# KiCad board panel.kicad_pcb (continued)
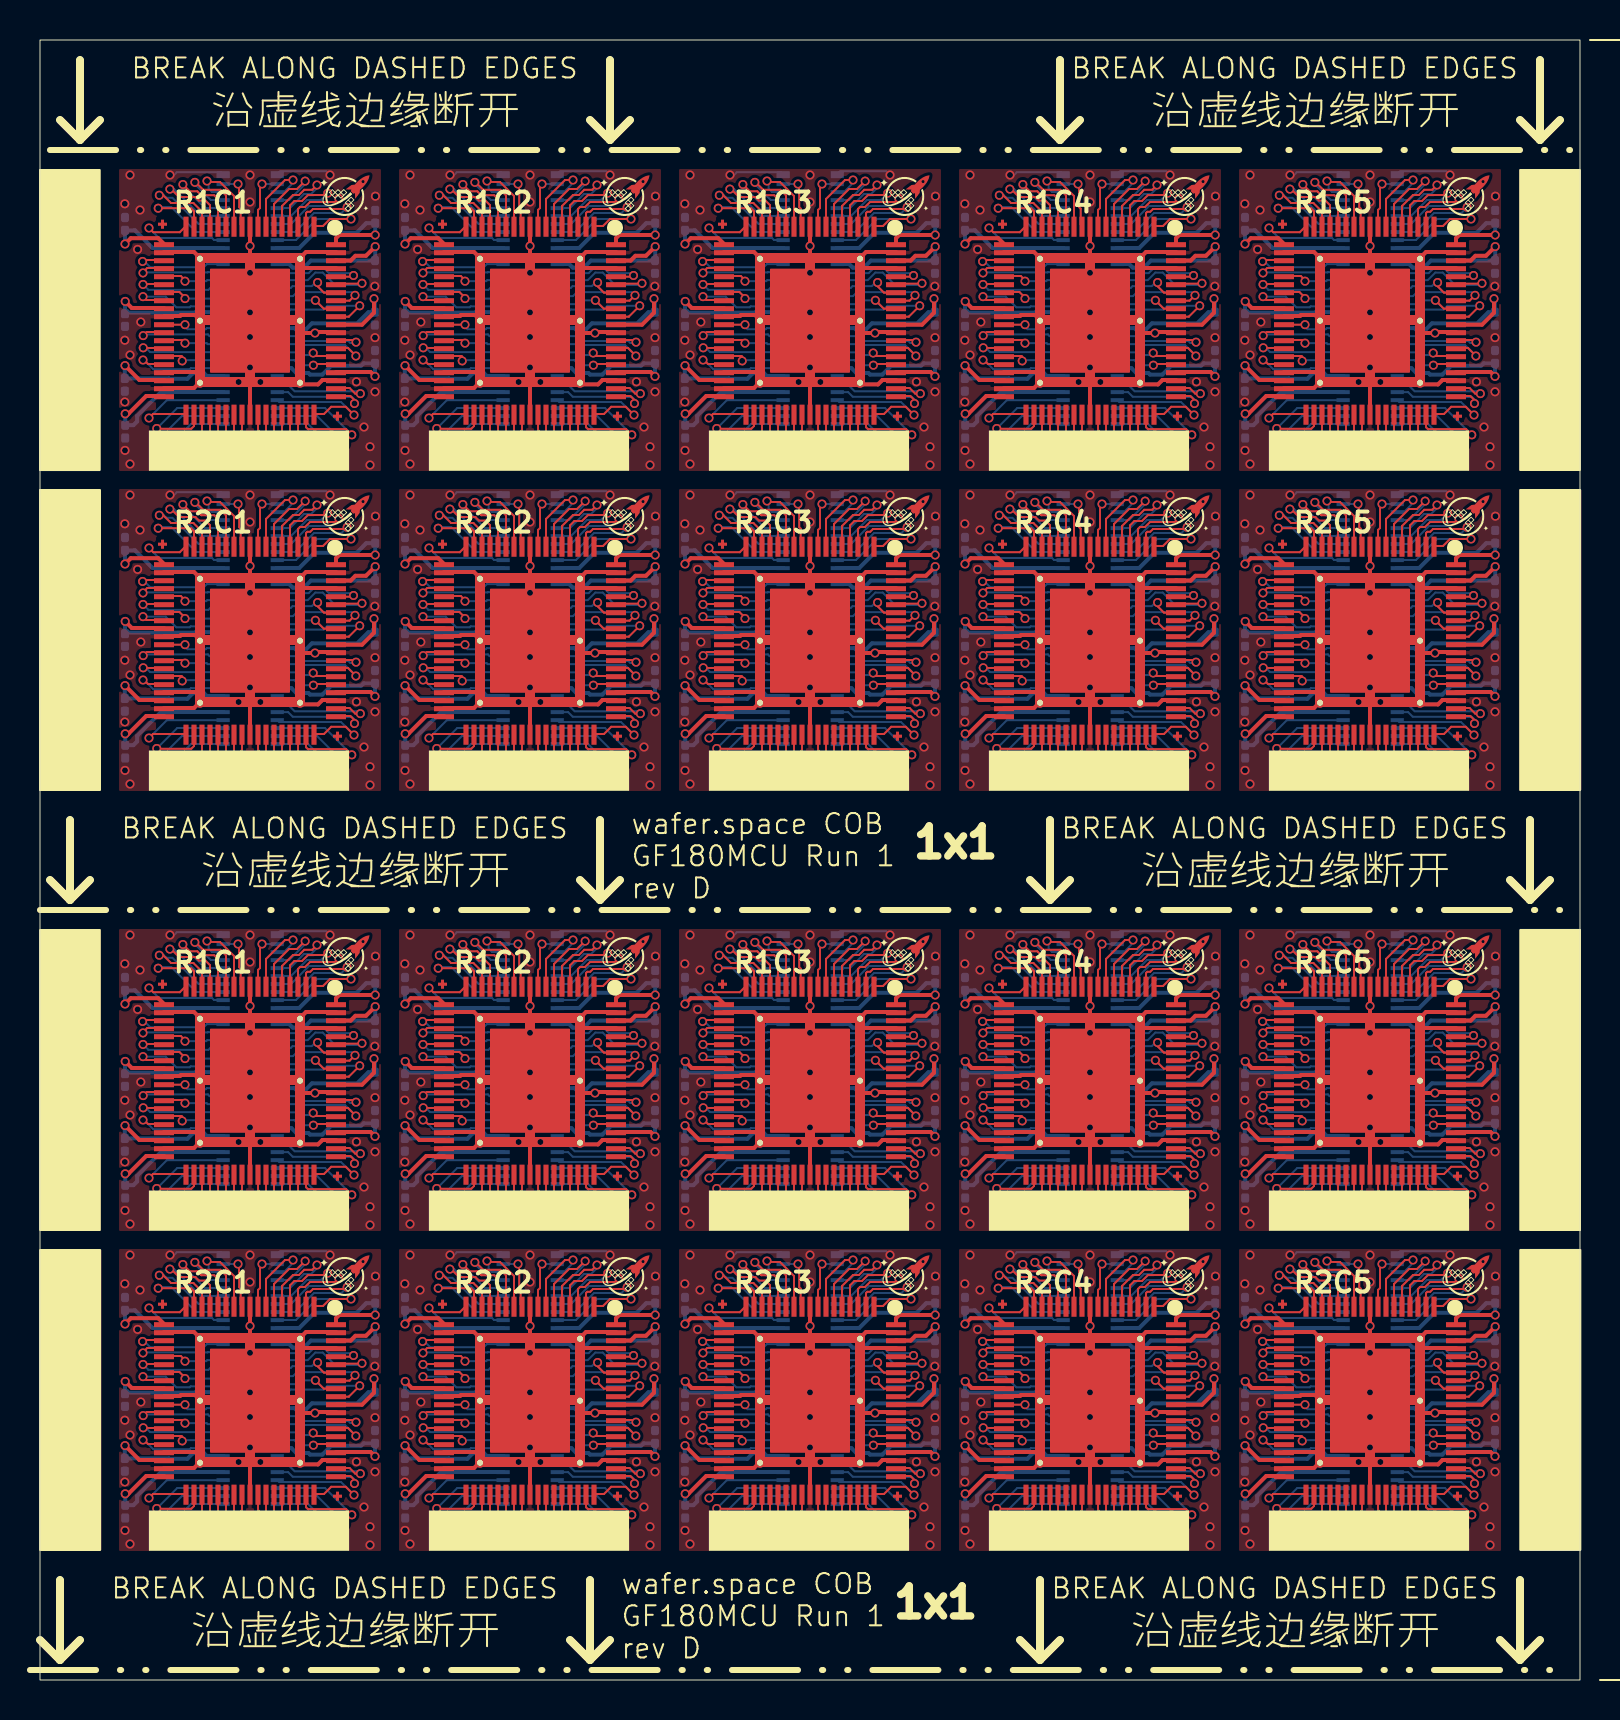
[diagram p0: board, top side]
## Nets (continued)
/pad_55: U101.26 U101#2.26 U102.56 U102#2.56 U103.26 U103#2.26 U104.56 U104#2.56 U105.26 U105#2.26 U106.56 U106#2.56 U107.26 U107#2.26 U108.56 U108#2.56 U109.26 U109#2.26 U110.56 U110#2.56 U111.26 U111#2.26 U112.56 U112#2.56 U113.26 U113#2.26 U114.56 U114#2.56 U115.26 U115#2.26 U116.56 U116#2.56 U117.26 U117#2.26 U118.56 U118#2.56 U119.26 U119#2.26 U120.56 U120#2.56
/pad_58: U101.23 U101#2.23 U102.59 U102#2.59 U103.23 U103#2.23 U104.59 U104#2.59 U105.23 U105#2.23 U106.59 U106#2.59 U107.23 U107#2.23 U108.59 U108#2.59 U109.23 U109#2.23 U110.59 U110#2.59 U111.23 U111#2.23 U112.59 U112#2.59 U113.23 U113#2.23 U114.59 U114#2.59 U115.23 U115#2.23 U116.59 U116#2.59 U117.23 U117#2.23 U118.59 U118#2.59 U119.23 U119#2.23 U120.59 U120#2.59
/pad_59: U101.22 U101#2.22 U102.60 U102#2.60 U103.22 U103#2.22 U104.60 U104#2.60 U105.22 U105#2.22 U106.60 U106#2.60 U107.22 U107#2.22 U108.60 U108#2.60 U109.22 U109#2.22 U110.60 U110#2.60 U111.22 U111#2.22 U112.60 U112#2.60 U113.22 U113#2.22 U114.60 U114#2.60 U115.22 U115#2.22 U116.60 U116#2.60 U117.22 U117#2.22 U118.60 U118#2.60 U119.22 U119#2.22 U120.60 U120#2.60
/pad_60: U101.21 U101#2.21 U102.61 U102#2.61 U103.21 U103#2.21 U104.61 U104#2.61 U105.21 U105#2.21 U106.61 U106#2.61 U107.21 U107#2.21 U108.61 U108#2.61 U109.21 U109#2.21 U110.61 U110#2.61 U111.21 U111#2.21 U112.61 U112#2.61 U113.21 U113#2.21 U114.61 U114#2.61 U115.21 U115#2.21 U116.61 U116#2.61 U117.21 U117#2.21 U118.61 U118#2.61 U119.21 U119#2.21 U120.61 U120#2.61
/pad_61: U101.20 U101#2.20 U102.62 U102#2.62 U103.20 U103#2.20 U104.62 U104#2.62 U105.20 U105#2.20 U106.62 U106#2.62 U107.20 U107#2.20 U108.62 U108#2.62 U109.20 U109#2.20 U110.62 U110#2.62 U111.20 U111#2.20 U112.62 U112#2.62 U113.20 U113#2.20 U114.62 U114#2.62 U115.20 U115#2.20 U116.62 U116#2.62 U117.20 U117#2.20 U118.62 U118#2.62 U119.20 U119#2.20 U120.62 U120#2.62
/pad_64: U101.17 U101#2.17 U102.65 U102#2.65 U103.17 U103#2.17 U104.65 U104#2.65 U105.17 U105#2.17 U106.65 U106#2.65 U107.17 U107#2.17 U108.65 U108#2.65 U109.17 U109#2.17 U110.65 U110#2.65 U111.17 U111#2.17 U112.65 U112#2.65 U113.17 U113#2.17 U114.65 U114#2.65 U115.17 U115#2.17 U116.65 U116#2.65 U117.17 U117#2.17 U118.65 U118#2.65 U119.17 U119#2.17 U120.65 U120#2.65
/pad_65: U101.16 U101#2.16 U102.66 U102#2.66 U103.16 U103#2.16 U104.66 U104#2.66 U105.16 U105#2.16 U106.66 U106#2.66 U107.16 U107#2.16 U108.66 U108#2.66 U109.16 U109#2.16 U110.66 U110#2.66 U111.16 U111#2.16 U112.66 U112#2.66 U113.16 U113#2.16 U114.66 U114#2.66 U115.16 U115#2.16 U116.66 U116#2.66 U117.16 U117#2.16 U118.66 U118#2.66 U119.16 U119#2.16 U120.66 U120#2.66
/pad_66: U101.15 U101#2.15 U102.67 U102#2.67 U103.15 U103#2.15 U104.67 U104#2.67 U105.15 U105#2.15 U106.67 U106#2.67 U107.15 U107#2.15 U108.67 U108#2.67 U109.15 U109#2.15 U110.67 U110#2.67 U111.15 U111#2.15 U112.67 U112#2.67 U113.15 U113#2.15 U114.67 U114#2.67 U115.15 U115#2.15 U116.67 U116#2.67 U117.15 U117#2.15 U118.67 U118#2.67 U119.15 U119#2.15 U120.67 U120#2.67
/pad_67: U101.14 U101#2.14 U102.68 U102#2.68 U103.14 U103#2.14 U104.68 U104#2.68 U105.14 U105#2.14 U106.68 U106#2.68 U107.14 U107#2.14 U108.68 U108#2.68 U109.14 U109#2.14 U110.68 U110#2.68 U111.14 U111#2.14 U112.68 U112#2.68 U113.14 U113#2.14 U114.68 U114#2.68 U115.14 U115#2.14 U116.68 U116#2.68 U117.14 U117#2.14 U118.68 U118#2.68 U119.14 U119#2.14 U120.68 U120#2.68
/pad_68: U101.13 U101#2.13 U102.69 U102#2.69 U103.13 U103#2.13 U104.69 U104#2.69 U105.13 U105#2.13 U106.69 U106#2.69 U107.13 U107#2.13 U108.69 U108#2.69 U109.13 U109#2.13 U110.69 U110#2.69 U111.13 U111#2.13 U112.69 U112#2.69 U113.13 U113#2.13 U114.69 U114#2.69 U115.13 U115#2.13 U116.69 U116#2.69 U117.13 U117#2.13 U118.69 U118#2.69 U119.13 U119#2.13 U120.69 U120#2.69
/pad_69: U101.12 U101#2.12 U102.70 U102#2.70 U103.12 U103#2.12 U104.70 U104#2.70 U105.12 U105#2.12 U106.70 U106#2.70 U107.12 U107#2.12 U108.70 U108#2.70 U109.12 U109#2.12 U110.70 U110#2.70 U111.12 U111#2.12 U112.70 U112#2.70 U113.12 U113#2.12 U114.70 U114#2.70 U115.12 U115#2.12 U116.70 U116#2.70 U117.12 U117#2.12 U118.70 U118#2.70 U119.12 U119#2.12 U120.70 U120#2.70
PWR_AUX_0: C105.1 C105#2.1 C113.1 C113#2.1 C121.1 C121#2.1 C129.1 C129#2.1 C137.1 C137#2.1 C145.1 C145#2.1 C153.1 C153#2.1 C161.1 C161#2.1 C169.1 C169#2.1 C177.1 C177#2.1 U101.54 U101#2.54 U102.26 U102#2.26 U103.54 U103#2.54 U104.26 U104#2.26 U105.54 U105#2.54 U106.26 U106#2.26 U107.54 U107#2.54 U108.26 U108#2.26 U109.54 U109#2.54 U110.26 U110#2.26 U111.54 U111#2.54 U112.26 U112#2.26 U113.54 U113#2.54 U114.26 U114#2.26 U115.54 U115#2.54 U116.26 U116#2.26 U117.54 U117#2.54 U118.26 U118#2.26 U119.54 U119#2.54 U120.26 U120#2.26
PWR_AUX_1: C106.1 C106#2.1 C114.1 C114#2.1 C122.1 C122#2.1 C130.1 C130#2.1 C138.1 C138#2.1 C146.1 C146#2.1 C154.1 C154#2.1 C162.1 C162#2.1 C170.1 C170#2.1 C178.1 C178#2.1 U101.19 U101#2.19 U102.64 U102#2.64 U103.19 U103#2.19 U104.64 U104#2.64 U105.19 U105#2.19 U106.64 U106#2.64 U107.19 U107#2.19 U108.64 U108#2.64 U109.19 U109#2.19 U110.64 U110#2.64 U111.19 U111#2.19 U112.64 U112#2.64 U113.19 U113#2.19 U114.64 U114#2.64 U115.19 U115#2.19 U116.64 U116#2.64 U117.19 U117#2.19 U118.64 U118#2.64 U119.19 U119#2.19 U120.64 U120#2.64

## Via types
v1: diameter 0.45, hole 0.3, Top to Bottom, 1960 vias

## Routing (per net, layer and track width the routed paths; a pad name or vN(x,y) marks a point on that pad's centre or on a via; arc(x,y) is an arc through that point)
GND: length 1147
  Top w0.2: 6.2,49.4 8,49.4 ; 6.2,27.4 8,27.4 ; 48.2,48.6 49.7,48.6 50,48.9 ; 14.8,54.6 13,54.6 ; 69,67.45 69.1,67.35 v1(69.75,67.35) 69.85,67.35 69.9,67.4 70.8,67.4 ; 28.8,13.4 27.9,13.4 27.85,13.35 v1(27.75,13.35) 27.1,13.35 27,13.45 ; 22,48.9 21.7,48.6 20.2,48.6 ; 22,17.1 21.7,17.4 20.2,17.4 ; 41,48.9 41.12,48.78 41.9,48.78 42.12,49 42.8,49 ; 42.8,16.6 41,16.6 ; 36,30 35.75,30.25 35.05,30.25 35,30.2 34.2,30.2 ; 20.2,71.4 21.7,71.4 22,71.1 ; 50,55.1 49.7,55.4 48.2,55.4 ; 56.8,55.4 55.3,55.4 55,55.1 ; 56.8,11 56.12,11 55.9,10.78 55.12,10.78 55,10.9 ; 24.5,9.3 24.5,10.9 ; 66.5,47.3 66.5,48.9 ; 62.2,26.6 63.7,26.6 64,26.9 ; 41,71.1 41.3,71.4 42.8,71.4 ; 13,26.9 13.12,26.78 13.9,26.78 14.12,27 14.8,27 ; 6.2,68.2 7,68.2 7.05,68.25 7.75,68.25 8,68 ; 70.8,65 70.12,65 69.9,64.78 69.12,64.78 69,64.9 ; 24.45,55.1 24.5,55.15 v1(24.5,55.7) 24.5,56.7 ; 56.8,67.4 55.9,67.4 55.85,67.35 v1(55.75,67.35) 55.1,67.35 55,67.45 ; 13,71.1 13.3,71.4 14.8,71.4 ; 8,55.1 7.7,55.4 6.2,55.4 ; 24.5,25.3 24.5,26.9 ; 50,52 49.75,52.25 49.05,52.25 49,52.2 48.2,52.2 ; 13,10.9 13.12,10.78 13.9,10.78 14.12,11 14.8,11 ; 13,64.9 13.12,64.78 13.9,64.78 14.12,65 14.8,65 ; 50,71.1 49.7,71.4 48.2,71.4 ; 52.5,56.7 v1(52.5,55.7) 52.5,55.15 52.45,55.1 ; 36,14 35.75,14.25 35.05,14.25 35,14.2 34.2,14.2 ; 22,10.9 21.7,10.6 20.2,10.6 ; 66.45,55.1 66.5,55.15 v1(66.5,55.7) 66.5,56.7 ; 13,48.9 13.12,48.78 13.9,48.78 14.12,49 14.8,49 ; 56.8,27 56.12,27 55.9,26.78 55.12,26.78 55,26.9 ; 24.45,33.1 24.5,33.15 v1(24.5,33.7) 24.5,34.7 ; 42.8,55.4 41.3,55.4 41,55.1 ; 34.2,49.4 36,49.4 ; 8,26.9 7.7,26.6 6.2,26.6 ; 41,10.9 41.12,10.78 41.9,10.78 42.12,11 42.8,11 ; 6.2,11.4 8,11.4 ; 70.8,33.4 69.3,33.4 69,33.1 ; 13,55.1 13.3,55.4 14.8,55.4 ; 66.45,17.1 66.5,17.15 v1(66.5,17.7) 66.5,18.7 ; 48.2,27.4 50,27.4 ; 24.45,17.1 24.5,17.15 v1(24.5,17.7) 24.5,18.7 ; 34.2,52.2 35,52.2 35.05,52.25 35.75,52.25 36,52 ; 24.5,63.3 24.5,64.9 ; 10.45,33.1 10.5,33.15 v1(10.5,33.7) 10.5,34.7 ; 28.8,27 28.12,27 27.9,26.78 27.12,26.78 27,26.9 ; 41,17.1 41.3,17.4 42.8,17.4 ; 20.2,30.2 21,30.2 21.05,30.25 21.75,30.25 22,30 ; 70.8,49 70.12,49 69.9,48.78 69.12,48.78 69,48.9 ; 52.45,71.1 52.5,71.15 v1(52.5,71.7) 52.5,72.7 ; 34.2,11.4 36,11.4 ; 14.8,17.4 13.3,17.4 13,17.1 ; 55,48.9 55.12,48.78 55.9,48.78 56.12,49 56.8,49 ; 8,48.9 7.7,48.6 6.2,48.6 ; 38.5,63.3 38.5,64.9 ; 38.45,33.1 38.5,33.15 v1(38.5,33.7) 38.5,34.7 ; 55,13.45 55.1,13.35 v1(55.75,13.35) 55.85,13.35 55.9,13.4 56.8,13.4 ; 69,51.45 69.1,51.35 v1(69.75,51.35) 69.85,51.35 69.9,51.4 70.8,51.4 ; 38.5,9.3 38.5,10.9 ; 62.2,71.4 63.7,71.4 64,71.1 ; 48.2,17.4 49.7,17.4 50,17.1 ; 20.2,49.4 22,49.4 ; 27,71.1 27.3,71.4 28.8,71.4 ; 27,17.1 27.3,17.4 28.8,17.4 ; 64,10.9 63.7,10.6 62.2,10.6 ; 27,55.1 27.3,55.4 28.8,55.4 ; 36,17.1 35.7,17.4 34.2,17.4 ; 69,26.9 69.12,26.78 69.9,26.78 70.12,27 70.8,27 ; 48.2,64.6 49.7,64.6 50,64.9 ; 70.8,13.4 69.9,13.4 69.85,13.35 v1(69.75,13.35) 69.1,13.35 69,13.45 ; 20.2,33.4 21.7,33.4 22,33.1 ; 20.2,52.2 21,52.2 21.05,52.25 21.75,52.25 22,52 ; 41,67.45 41.1,67.35 v1(41.75,67.35) 41.85,67.35 41.9,67.4 42.8,67.4 ; 38.5,56.7 v1(38.5,55.7) 38.5,55.15 38.45,55.1 ; 14.8,13.4 13.9,13.4 13.85,13.35 v1(13.75,13.35) 13.1,13.35 13,13.45 ; 69,10.9 69.12,10.78 69.9,10.78 70.12,11 70.8,11 ; 52.5,9.3 52.5,10.9 ; 10.5,47.3 10.5,48.9 ; 10.45,55.1 10.5,55.15 v1(10.5,55.7) 10.5,56.7 ; 14.8,32.6 13,32.6 ; 34.2,68.2 35,68.2 35.05,68.25 35.75,68.25 36,68 ; 36,26.9 35.7,26.6 34.2,26.6 ; 27,29.45 27.1,29.35 v1(27.75,29.35) 27.85,29.35 27.9,29.4 28.8,29.4 ; 34.2,10.6 35.7,10.6 36,10.9 ; 6.2,10.6 7.7,10.6 8,10.9 ; 52.45,33.1 52.5,33.15 v1(52.5,33.7) 52.5,34.7 ; 62.2,30.2 63,30.2 63.05,30.25 63.75,30.25 64,30 ; 42.8,70.6 41,70.6 ; 55,64.9 55.12,64.78 55.9,64.78 56.12,65 56.8,65 ; 36,55.1 35.7,55.4 34.2,55.4 ; 62.2,64.6 63.7,64.6 64,64.9 ; 27,64.9 27.12,64.78 27.9,64.78 28.12,65 28.8,65 ; 10.5,72.7 v1(10.5,71.7) 10.5,71.15 10.45,71.1 ; 70.8,29.4 69.9,29.4 69.85,29.35 v1(69.75,29.35) 69.1,29.35 69,29.45 ; 62.2,49.4 64,49.4 ; 38.45,17.1 38.5,17.15 v1(38.5,17.7) 38.5,18.7 ; 14.8,51.4 13.9,51.4 13.85,51.35 v1(13.75,51.35) 13.1,51.35 13,51.45 ; 28.8,51.4 27.9,51.4 27.85,51.35 v1(27.75,51.35) 27.1,51.35 27,51.45 ; 62.2,17.4 63.7,17.4 64,17.1 ; 41,29.45 41.1,29.35 v1(41.75,29.35) 41.85,29.35 41.9,29.4 42.8,29.4 ; 69,17.1 69.3,17.4 70.8,17.4 ; 48.2,68.2 49,68.2 49.05,68.25 49.75,68.25 50,68 ; 38.5,47.3 38.5,48.9 ; 55,17.1 55.3,17.4 56.8,17.4 ; 6.2,30.2 7,30.2 7.05,30.25 7.75,30.25 8,30 ; 56.8,32.6 55,32.6 ; 56.8,33.4 55.3,33.4 55,33.1 ; 28.8,70.6 27,70.6 ; 10.45,17.1 10.5,17.15 v1(10.5,17.7) 10.5,18.7 ; 52.5,47.3 52.5,48.9 ; 28.8,54.6 27,54.6 ; 56.8,70.6 55,70.6 ; 66.5,72.7 v1(66.5,71.7) 66.5,71.15 66.45,71.1 ; 41,26.9 41.12,26.78 41.9,26.78 42.12,27 42.8,27 ; 22,14 21.75,14.25 21.05,14.25 21,14.2 20.2,14.2 ; 56.8,16.6 55,16.6 ; 14.8,33.4 13.3,33.4 13,33.1 ; 48.2,10.6 49.7,10.6 50,10.9 ; 14.8,70.6 13,70.6 ; 48.2,26.6 49.7,26.6 50,26.9 ; 70.8,32.6 69,32.6 ; 13,29.45 13.1,29.35 v1(13.75,29.35) 13.85,29.35 13.9,29.4 14.8,29.4 ; 22,55.1 21.7,55.4 20.2,55.4 ; 70.8,71.4 69.3,71.4 69,71.1 ; 62.2,27.4 64,27.4 ; 41,33.1 41.3,33.4 42.8,33.4 ; 48.2,14.2 49,14.2 49.05,14.25 49.75,14.25 50,14 ; 28.8,32.6 27,32.6 ; 52.45,17.1 52.5,17.15 v1(52.5,17.7) 52.5,18.7 ; 34.2,33.4 35.7,33.4 36,33.1 ; 36,64.9 35.7,64.6 34.2,64.6 ; 22,64.9 21.7,64.6 20.2,64.6 ; 20.2,27.4 22,27.4 ; 8,17.1 7.7,17.4 6.2,17.4 ; 48.2,49.4 50,49.4 ; 70.8,55.4 69.3,55.4 69,55.1 ; 55,71.1 55.3,71.4 56.8,71.4 ; 62.2,55.4 63.7,55.4 64,55.1 ; 13,67.45 13.1,67.35 v1(13.75,67.35) 13.85,67.35 13.9,67.4 14.8,67.4 ; 28.8,16.6 27,16.6 ; 10.5,25.3 10.5,26.9 ; 64,68 63.75,68.25 63.05,68.25 63,68.2 62.2,68.2 ; 27,33.1 27.3,33.4 28.8,33.4 ; 34.2,65.4 36,65.4 ; 62.2,52.2 63,52.2 63.05,52.25 63.75,52.25 64,52 ; 27,67.45 27.1,67.35 v1(27.75,67.35) 27.85,67.35 27.9,67.4 28.8,67.4 ; 27,48.9 27.12,48.78 27.9,48.78 28.12,49 28.8,49 ; 48.2,30.2 49,30.2 49.05,30.25 49.75,30.25 50,30 ; 6.2,65.4 8,65.4 ; 50,33.1 49.7,33.4 48.2,33.4 ; 38.5,72.7 v1(38.5,71.7) 38.5,71.15 38.45,71.1 ; 6.2,64.6 7.7,64.6 8,64.9 ; 20.2,11.4 22,11.4 ; 62.2,65.4 64,65.4 ; 41,13.45 41.1,13.35 v1(41.75,13.35) 41.85,13.35 41.9,13.4 42.8,13.4 ; 55,51.45 55.1,51.35 v1(55.75,51.35) 55.85,51.35 55.9,51.4 56.8,51.4 ; 6.2,33.4 7.7,33.4 8,33.1 ; 34.2,71.4 35.7,71.4 36,71.1 ; 41,51.45 41.1,51.35 v1(41.75,51.35) 41.85,51.35 41.9,51.4 42.8,51.4 ; 70.8,70.6 69,70.6 ; 55,29.45 55.1,29.35 v1(55.75,29.35) 55.85,29.35 55.9,29.4 56.8,29.4 ; 10.5,9.3 10.5,10.9 ; 22,68 21.75,68.25 21.05,68.25 21,68.2 20.2,68.2 ; 56.8,54.6 55,54.6 ; 10.5,63.3 10.5,64.9 ; 62.2,33.4 63.7,33.4 64,33.1 ; 20.2,26.6 21.7,26.6 22,26.9 ; 52.5,63.3 52.5,64.9 ; 8,71.1 7.7,71.4 6.2,71.4 ; 42.8,65 42.12,65 41.9,64.78 41.12,64.78 41,64.9 ; 24.45,71.1 24.5,71.15 v1(24.5,71.7) 24.5,72.7 ; 66.5,9.3 66.5,10.9 ; 42.8,54.6 41,54.6 ; 8,52 7.75,52.25 7.05,52.25 7,52.2 6.2,52.2 ; 66.5,25.3 66.5,26.9 ; 48.2,11.4 50,11.4 ; 42.8,32.6 41,32.6 ; 62.2,11.4 64,11.4 ; 64,48.9 63.7,48.6 62.2,48.6 ; 34.2,48.6 35.7,48.6 36,48.9 ; 70.8,16.6 69,16.6 ; 8,14 7.75,14.25 7.05,14.25 7,14.2 6.2,14.2 ; 66.45,33.1 66.5,33.15 v1(66.5,33.7) 66.5,34.7 ; 70.8,54.6 69,54.6 ; 62.2,14.2 63,14.2 63.05,14.25 63.75,14.25 64,14 ; 27,10.9 27.12,10.78 27.9,10.78 28.12,11 28.8,11 ; 24.5,47.3 24.5,48.9 ; 48.2,65.4 50,65.4 ; 66.5,63.3 66.5,64.9 ; 52.5,25.3 52.5,26.9 ; 14.8,16.6 13,16.6 ; 34.2,27.4 36,27.4 ; 38.5,25.3 38.5,26.9 ; 20.2,65.4 22,65.4
  Top w0.5: 52.5,10.9 v1(51.93,10.9) 50,10.9 50,14 ; 52.5,10.9 v1(52.5,11.63) v1(52.5,13.15) v1(52.5,14.38) v1(52.5,16.36) 52.5,17.05 52.45,17.1 ; 52.5,10.9 v1(53.02,10.9) 55,10.9 55,14 ; 10.45,17.1 13,17.1 13,14 ; 10.45,17.1 8,17.1 8,14 ; 10.45,17.1 10.5,17.05 v1(10.5,16.36) v1(10.5,14.38) v1(10.5,13.15) v1(10.5,11.63) 10.5,10.9 ; 36,68 36,64.9 v1(37.93,64.9) 38.5,64.9 ; 36,68 41,68 ; 36,68 36,71.1 38.45,71.1 ; 24.5,10.9 v1(25.02,10.9) 27,10.9 27,14 ; 24.5,10.9 v1(24.5,11.63) v1(24.5,13.15) v1(24.5,14.38) v1(24.5,16.36) 24.5,17.05 24.45,17.1 ; 24.5,10.9 v1(23.93,10.9) 22,10.9 22,14 ; 24.5,64.9 v1(24.5,65.63) v1(24.5,67.15) v1(24.5,68.38) v1(24.5,70.36) 24.5,71.05 24.45,71.1 ; 24.5,64.9 v1(23.93,64.9) 22,64.9 22,68 ; 24.5,64.9 v1(25.02,64.9) 27,64.9 27,68 ; 10.5,26.9 v1(10.5,27.63) v1(10.5,29.15) v1(10.5,30.38) v1(10.5,32.36) 10.5,33.05 10.45,33.1 ; 10.5,26.9 v1(9.93,26.9) 8,26.9 8,30 ; 10.5,26.9 v1(11.02,26.9) 13,26.9 13,30 ; 10.5,10.9 v1(9.93,10.9) 8,10.9 8,14 ; 10.5,10.9 v1(11.02,10.9) 13,10.9 13,14 ; 50,30 50,33.1 52.45,33.1 ; 50,30 50,26.9 v1(51.93,26.9) 52.5,26.9 ; 50,30 55,30 ; 69,14 69,10.9 v1(67.02,10.9) 66.5,10.9 ; 69,14 64,14 ; 69,14 69,17.1 66.45,17.1 ; 55,68 55,64.9 v1(53.02,64.9) 52.5,64.9 ; 55,68 55,71.1 52.45,71.1 ; 55,68 50,68 ; 27,68 27,71.1 24.45,71.1 ; 27,68 22,68 ; 10.5,48.9 v1(9.93,48.9) 8,48.9 8,52 ; 10.5,48.9 v1(11.02,48.9) 13,48.9 13,52 ; 10.5,48.9 v1(10.5,49.63) v1(10.5,51.15) v1(10.5,52.38) v1(10.5,54.36) 10.5,55.05 10.45,55.1 ; 38.5,64.9 v1(38.5,65.63) v1(38.5,67.15) v1(38.5,68.38) v1(38.5,70.36) 38.5,71.05 38.45,71.1 ; 38.5,64.9 v1(39.02,64.9) 41,64.9 41,68 ; 66.5,48.9 v1(67.02,48.9) 69,48.9 69,52 ; 66.5,48.9 v1(65.93,48.9) 64,48.9 64,52 ; 66.5,48.9 v1(66.5,49.63) v1(66.5,51.15) v1(66.5,52.38) v1(66.5,54.36) 66.5,55.05 66.45,55.1 ; 27,30 27,26.9 v1(25.02,26.9) 24.5,26.9 ; 27,30 22,30 ; 27,30 27,33.1 24.45,33.1 ; 41,68 41,71.1 38.45,71.1 ; 50,52 50,55.1 52.45,55.1 ; 50,52 50,48.9 v1(51.93,48.9) 52.5,48.9 ; 50,52 55,52 ; 38.45,33.1 38.5,33.05 v1(38.5,32.36) v1(38.5,30.38) v1(38.5,29.15) v1(38.5,27.63) 38.5,26.9 ; 38.45,33.1 41,33.1 41,30 ; 38.45,33.1 36,33.1 36,30 ; 27,14 27,17.1 24.45,17.1 ; 27,14 22,14 ; 24.45,33.1 22,33.1 22,30 ; 24.45,33.1 24.5,33.05 v1(24.5,32.36) v1(24.5,30.38) v1(24.5,29.15) v1(24.5,27.63) 24.5,26.9 ; 22,30 22,26.9 v1(23.93,26.9) 24.5,26.9 ; 22,68 22,71.1 24.45,71.1 ; 41,30 41,26.9 v1(39.02,26.9) 38.5,26.9 ; 41,30 36,30 ; 27,52 27,55.1 24.45,55.1 ; 27,52 27,48.9 v1(25.02,48.9) 24.5,48.9 ; 27,52 22,52 ; 50,14 55,14 ; 50,14 50,17.1 52.45,17.1 ; 52.45,17.1 55,17.1 55,14 ; 52.5,64.9 v1(51.93,64.9) 50,64.9 50,68 ; 52.5,64.9 v1(52.5,65.63) v1(52.5,67.15) v1(52.5,68.38) v1(52.5,70.36) 52.5,71.05 52.45,71.1 ; 8,68 8,64.9 v1(9.93,64.9) 10.5,64.9 ; 8,68 8,71.1 10.45,71.1 ; 8,68 13,68 ; 38.45,17.1 38.5,17.05 v1(38.5,16.36) v1(38.5,14.38) v1(38.5,13.15) v1(38.5,11.63) 38.5,10.9 ; 38.45,17.1 41,17.1 41,14 ; 38.45,17.1 36,17.1 36,14 ; 36,52 41,52 ; 36,52 36,55.1 38.45,55.1 ; 36,52 36,48.9 v1(37.93,48.9) 38.5,48.9 ; 41,52 41,55.1 38.45,55.1 ; 41,52 41,48.9 v1(39.02,48.9) 38.5,48.9 ; 66.5,64.9 v1(67.02,64.9) 69,64.9 69,68 ; 66.5,64.9 v1(65.93,64.9) 64,64.9 64,68 ; 66.5,64.9 v1(66.5,65.63) v1(66.5,67.15) v1(66.5,68.38) v1(66.5,70.36) 66.5,71.05 66.45,71.1 ; 13,68 13,71.1 10.45,71.1 ; 13,68 13,64.9 v1(11.02,64.9) 10.5,64.9 ; 36,14 41,14 ; 36,14 36,10.9 v1(37.93,10.9) 38.5,10.9 ; 41,14 41,10.9 v1(39.02,10.9) 38.5,10.9 ; 52.45,71.1 50,71.1 50,68 ; 66.5,10.9 v1(65.93,10.9) 64,10.9 64,14 ; 66.5,10.9 v1(66.5,11.63) v1(66.5,13.15) v1(66.5,14.38) v1(66.5,16.36) 66.5,17.05 66.45,17.1 ; 36,30 36,26.9 v1(37.93,26.9) 38.5,26.9 ; 66.45,55.1 64,55.1 64,52 ; 66.45,55.1 69,55.1 69,52 ; 24.5,48.9 v1(24.5,49.63) v1(24.5,51.15) v1(24.5,52.38) v1(24.5,54.36) 24.5,55.05 24.45,55.1 ; 24.5,48.9 v1(23.93,48.9) 22,48.9 22,52 ; 52.5,48.9 v1(53.02,48.9) 55,48.9 55,52 ; 52.5,48.9 v1(52.5,49.63) v1(52.5,51.15) v1(52.5,52.38) v1(52.5,54.36) 52.5,55.05 52.45,55.1 ; 52.5,26.9 v1(53.02,26.9) 55,26.9 55,30 ; 52.5,26.9 v1(52.5,27.63) v1(52.5,29.15) v1(52.5,30.38) v1(52.5,32.36) 52.5,33.05 52.45,33.1 ; 10.45,55.1 13,55.1 13,52 ; 10.45,55.1 8,55.1 8,52 ; 66.5,26.9 v1(67.02,26.9) 69,26.9 69,30 ; 66.5,26.9 v1(66.5,27.63) v1(66.5,29.15) v1(66.5,30.38) v1(66.5,32.36) 66.5,33.05 66.45,33.1 ; 66.5,26.9 v1(65.93,26.9) 64,26.9 64,30 ; 69,68 64,68 ; 69,68 69,71.1 66.45,71.1 ; 64,30 64,33.1 66.45,33.1 ; 64,30 69,30 ; 38.5,48.9 v1(38.5,49.63) v1(38.5,51.15) v1(38.5,52.38) v1(38.5,54.36) 38.5,55.05 38.45,55.1 ; 69,52 64,52 ; 66.45,71.1 64,71.1 64,68 ; 66.45,33.1 69,33.1 69,30 ; 8,30 13,30 ; 8,30 8,33.1 10.45,33.1 ; 64,14 64,17.1 66.45,17.1 ; 22,52 22,55.1 24.45,55.1 ; 55,30 55,33.1 52.45,33.1 ; 10.45,33.1 13,33.1 13,30 ; 10.5,64.9 v1(10.5,65.63) v1(10.5,67.15) v1(10.5,68.38) v1(10.5,70.36) 10.5,71.05 10.45,71.1 ; 55,52 55,55.1 52.45,55.1 ; 8,14 13,14 ; 22,14 22,17.1 24.45,17.1 ; 8,52 13,52
  Bottom w0.1: 9.15,75.28 9.03,75.39 6.84,75.39 6.65,75.2 ; v1(70.5,59.25) 70.31,59.44 68.02,59.44 67.86,59.28 ; 65.15,75.28 65.03,75.39 62.84,75.39 62.65,75.2 ; 11.85,75.28 12.02,75.44 14.31,75.44 v1(14.5,75.25) ; v1(42.5,21.25) 42.31,21.44 40.02,21.44 39.85,21.28 ; 25.85,59.28 26.02,59.44 28.31,59.44 v1(28.5,59.25) ; 34.65,75.2 34.84,75.39 37.03,75.39 37.15,75.28 ; v1(28.5,75.25) 28.31,75.44 26.02,75.44 25.85,75.28 ; 9.15,21.28 9.03,21.39 6.84,21.39 6.65,21.2 ; v1(42.5,75.25) 42.31,75.44 40.02,75.44 39.85,75.28 ; v1(56.5,21.25) 56.31,21.44 54.02,21.44 53.85,21.28 ; 25.85,37.28 26.02,37.44 28.31,37.44 v1(28.5,37.25) ; 34.65,37.2 34.84,37.39 37.03,37.39 37.15,37.28 ; 48.65,37.2 48.84,37.39 51.03,37.39 51.15,37.28 ; 20.65,37.2 20.84,37.39 23.03,37.39 23.15,37.28 ; 62.65,21.2 62.84,21.39 65.03,21.39 65.15,21.28 ; 23.15,75.28 23.03,75.39 20.84,75.39 20.65,75.2 ; v1(56.5,37.25) 56.31,37.44 54.02,37.44 53.85,37.28 ; 39.85,37.28 40.02,37.44 42.31,37.44 v1(42.5,37.25) ; 23.15,59.28 23.03,59.39 20.84,59.39 20.65,59.2 ; v1(56.5,59.25) 56.31,59.44 54.02,59.44 53.85,59.28 ; 11.85,59.28 12.02,59.44 14.31,59.44 v1(14.5,59.25) ; 6.65,37.2 6.84,37.39 9.03,37.39 9.15,37.28 ; 34.65,21.2 34.84,21.39 37.03,21.39 37.15,21.28 ; 51.15,75.28 51.03,75.39 48.84,75.39 48.65,75.2 ; 65.15,37.28 65.03,37.39 62.84,37.39 62.65,37.2 ; 6.65,59.2 6.84,59.39 9.03,59.39 9.15,59.28 ; v1(70.5,75.25) 70.31,75.44 68.02,75.44 67.86,75.28 ; 67.86,37.28 68.02,37.44 70.31,37.44 v1(70.5,37.25) ; 51.15,59.28 51.03,59.39 48.84,59.39 48.65,59.2 ; 23.15,21.28 23.03,21.39 20.84,21.39 20.65,21.2 ; 65.15,59.28 65.03,59.39 62.84,59.39 62.65,59.2 ; 39.85,59.28 40.02,59.44 42.31,59.44 v1(42.5,59.25) ; 53.85,75.28 54.02,75.44 56.31,75.44 v1(56.5,75.25) ; 11.85,37.28 12.02,37.44 14.31,37.44 v1(14.5,37.25) ; 37.15,59.28 37.03,59.39 34.84,59.39 34.65,59.2 ; v1(28.5,21.25) 28.31,21.44 26.02,21.44 25.85,21.28 ; 67.86,21.28 68.02,21.44 70.31,21.44 v1(70.5,21.25) ; 51.15,21.28 51.03,21.39 48.84,21.39 48.65,21.2 ; 11.85,21.28 12.02,21.44 14.31,21.44 v1(14.5,21.25)
  vias: v1(4.24,73.81) v1(4.24,66.99) v1(4.24,63.9) v1(4.25,61.48) v1(4.24,57.81) v1(4.24,50.99) v1(4.24,47.9) v1(4.25,45.48) v1(4.24,35.81) v1(4.24,28.99) v1(4.24,25.9) v1(4.25,23.48) v1(4.24,19.81) v1(4.24,12.99) v1(4.24,9.9) v1(4.25,7.48) v1(4.5,75.25) v1(4.5,66.25) v1(4.5,60.8) v1(4.5,59.25) v1(4.5,50.25) v1(4.5,44.8) v1(4.5,37.25) v1(4.5,28.25) v1(4.5,22.8) v1(4.5,21.25) v1(4.5,12.25) v1(4.5,6.8) v1(4.88,71.53) v1(4.88,55.53) v1(4.88,33.53) v1(4.88,17.53) v1(5,73.5) v1(5,57.5) v1(5,35.5) v1(5,19.5) v1(5.04,67.9) v1(5.04,51.9) v1(5.04,29.9) v1(5.04,13.9) v1(6.5,75.25) v1(6.5,59.25) v1(6.5,37.25) v1(6.5,21.25) v1(6.85,60.75) v1(6.85,44.75) v1(6.85,22.75) v1(6.85,6.75) v1(10.5,75.25) v1(10.5,73.9) v1(10.5,62.15) v1(10.5,60.8) v1(10.5,59.25) v1(10.5,57.9) v1(10.5,46.15) v1(10.5,44.8) v1(10.5,37.25) v1(10.5,35.9) v1(10.5,24.15) v1(10.5,22.8) v1(10.5,21.25) v1(10.5,19.9) v1(10.5,8.15) v1(10.5,6.8) v1(14.5,60.75) v1(14.5,44.75) v1(14.5,22.75) v1(14.5,6.75) v1(15.82,64.91) v1(15.82,48.91) v1(15.82,26.91) v1(15.82,10.91) v1(16.2,62.65) v1(16.2,46.65) v1(16.2,24.65) v1(16.2,8.65) v1(16.5,61.67) v1(16.5,60.75) v1(16.5,45.67) v1(16.5,44.75) v1(16.5,23.67) v1(16.5,22.75) v1(16.5,7.67) v1(16.5,6.75) v1(16.77,74.19) v1(16.74,69.69) v1(16.75,67.12) v1(16.75,64.41) v1(16.77,58.19) v1(16.74,53.69) v1(16.75,51.12) v1(16.75,48.41) v1(16.77,36.19) v1(16.74,31.69) v1(16.75,29.12) v1(16.75,26.41) v1(16.77,20.19) v1(16.74,15.69) v1(16.75,13.12) v1(16.75,10.41) v1(18.24,73.81) v1(18.24,66.99) v1(18.24,63.9) v1(18.25,61.48) v1(18.24,57.81) v1(18.24,50.99) v1(18.24,47.9) v1(18.25,45.48) v1(18.24,35.81) v1(18.24,28.99) v1(18.24,25.9) v1(18.25,23.48) v1(18.24,19.81) v1(18.24,12.99) v1(18.24,9.9) v1(18.25,7.48) v1(18.5,75.25) v1(18.5,66.25) v1(18.5,60.8) v1(18.5,59.25) v1(18.5,50.25) v1(18.5,44.8) v1(18.5,37.25) v1(18.5,28.25) v1(18.5,22.8) v1(18.5,21.25) v1(18.5,12.25) v1(18.5,6.8) v1(18.88,71.53) v1(18.88,55.53) v1(18.88,33.53) v1(18.88,17.53) v1(19,73.5) v1(19,57.5) v1(19,35.5) v1(19,19.5) v1(19.04,67.9) v1(19.04,51.9) v1(19.04,29.9) v1(19.04,13.9) v1(20.5,75.25) v1(20.5,59.25) v1(20.5,37.25) v1(20.5,21.25) v1(20.85,60.75) v1(20.85,44.75) v1(20.85,22.75) v1(20.85,6.75) v1(24.5,75.25) v1(24.5,73.9) v1(24.5,62.15) v1(24.5,60.8) v1(24.5,59.25) v1(24.5,57.9) v1(24.5,46.15) v1(24.5,44.8) v1(24.5,37.25) v1(24.5,35.9) v1(24.5,24.15) v1(24.5,22.8) v1(24.5,21.25) v1(24.5,19.9) v1(24.5,8.15) v1(24.5,6.8) v1(28.5,60.75) v1(28.5,44.75) v1(28.5,22.75) v1(28.5,6.75) v1(29.82,64.91) v1(29.82,48.91) v1(29.82,26.91) v1(29.82,10.91) v1(30.2,62.65) v1(30.2,46.65) v1(30.2,24.65) v1(30.2,8.65) v1(30.5,61.67) v1(30.5,60.75) v1(30.5,45.67) v1(30.5,44.75) v1(30.5,23.67) v1(30.5,22.75) v1(30.5,7.67) v1(30.5,6.75) v1(30.77,74.19) v1(30.74,69.69) v1(30.75,67.12) v1(30.75,64.41) v1(30.77,58.19) v1(30.74,53.69) v1(30.75,51.12) v1(30.75,48.41) v1(30.77,36.19) v1(30.74,31.69) v1(30.75,29.12) v1(30.75,26.41) v1(30.77,20.19) v1(30.74,15.69) v1(30.75,13.12) v1(30.75,10.41) v1(32.24,73.81) v1(32.24,66.99) v1(32.24,63.9) v1(32.25,61.48) v1(32.24,57.81) v1(32.24,50.99) v1(32.24,47.9) v1(32.25,45.48) v1(32.24,35.81) v1(32.24,28.99) v1(32.24,25.9) v1(32.25,23.48) v1(32.24,19.81) v1(32.24,12.99) v1(32.24,9.9) v1(32.25,7.48) v1(32.5,75.25) v1(32.5,66.25) v1(32.5,60.8) v1(32.5,59.25) v1(32.5,50.25) v1(32.5,44.8) v1(32.5,37.25) v1(32.5,28.25) v1(32.5,22.8) v1(32.5,21.25) v1(32.5,12.25) v1(32.5,6.8) v1(32.88,71.53) v1(32.88,55.53) v1(32.88,33.53) v1(32.88,17.53) v1(33,73.5) v1(33,57.5) v1(33,35.5) v1(33,19.5) v1(33.04,67.9) v1(33.04,51.9) v1(33.04,29.9) v1(33.04,13.9) v1(34.5,75.25) v1(34.5,59.25) v1(34.5,37.25) v1(34.5,21.25) v1(34.85,60.75) v1(34.85,44.75) v1(34.85,22.75) v1(34.85,6.75) v1(38.5,75.25) v1(38.5,73.9) v1(38.5,62.15) v1(38.5,60.8) v1(38.5,59.25) v1(38.5,57.9) v1(38.5,46.15) v1(38.5,44.8) v1(38.5,37.25) v1(38.5,35.9) v1(38.5,24.15) v1(38.5,22.8) v1(38.5,21.25) v1(38.5,19.9) v1(38.5,8.15) v1(38.5,6.8) v1(42.5,60.75) v1(42.5,44.75) v1(42.5,22.75) v1(42.5,6.75) v1(43.82,64.91) v1(43.82,48.91) v1(43.82,26.91) v1(43.82,10.91) v1(44.2,62.65) v1(44.2,46.65) v1(44.2,24.65) v1(44.2,8.65) v1(44.5,61.67) v1(44.5,60.75) v1(44.5,45.67) v1(44.5,44.75) v1(44.5,23.67) v1(44.5,22.75) v1(44.5,7.67) v1(44.5,6.75) v1(44.77,74.19) v1(44.74,69.69) v1(44.75,67.12) v1(44.75,64.41) v1(44.77,58.19) v1(44.74,53.69) v1(44.75,51.12) v1(44.75,48.41) v1(44.77,36.19) v1(44.74,31.69) v1(44.75,29.12) v1(44.75,26.41) v1(44.77,20.19) v1(44.74,15.69) v1(44.75,13.12) v1(44.75,10.41) v1(46.24,73.81) v1(46.24,66.99) v1(46.24,63.9) v1(46.25,61.48) v1(46.24,57.81) v1(46.24,50.99) v1(46.24,47.9) v1(46.25,45.48) v1(46.24,35.81) v1(46.24,28.99) v1(46.24,25.9) v1(46.25,23.48) v1(46.24,19.81) v1(46.24,12.99) v1(46.24,9.9) v1(46.25,7.48) v1(46.5,75.25) v1(46.5,66.25) v1(46.5,60.8) v1(46.5,59.25) v1(46.5,50.25) v1(46.5,44.8) v1(46.5,37.25) v1(46.5,28.25) v1(46.5,22.8) v1(46.5,21.25) v1(46.5,12.25) v1(46.5,6.8) v1(46.88,71.53) v1(46.88,55.53) v1(46.88,33.53) v1(46.88,17.53) v1(47,73.5) v1(47,57.5) v1(47,35.5) v1(47,19.5) v1(47.04,67.9) v1(47.04,51.9) v1(47.04,29.9) v1(47.04,13.9) v1(48.5,75.25) v1(48.5,59.25) v1(48.5,37.25) v1(48.5,21.25) v1(48.85,60.75) v1(48.85,44.75) v1(48.85,22.75) v1(48.85,6.75) v1(52.5,75.25) v1(52.5,73.9) v1(52.5,62.15) v1(52.5,60.8) v1(52.5,59.25) v1(52.5,57.9) v1(52.5,46.15) v1(52.5,44.8) v1(52.5,37.25) v1(52.5,35.9) v1(52.5,24.15) v1(52.5,22.8) v1(52.5,21.25) v1(52.5,19.9) v1(52.5,8.15) v1(52.5,6.8) v1(56.5,60.75) v1(56.5,44.75) v1(56.5,22.75) v1(56.5,6.75) v1(57.82,64.91) v1(57.82,48.91) v1(57.82,26.91) v1(57.82,10.91) v1(58.2,62.65) v1(58.2,46.65) v1(58.2,24.65) v1(58.2,8.65) v1(58.5,61.67) v1(58.5,60.75) v1(58.5,45.67) v1(58.5,44.75) v1(58.5,23.67) v1(58.5,22.75) v1(58.5,7.67) v1(58.5,6.75) v1(58.77,74.19) v1(58.74,69.69) v1(58.75,67.12) v1(58.75,64.41) v1(58.77,58.19) v1(58.74,53.69) v1(58.75,51.12) v1(58.75,48.41) v1(58.77,36.19) v1(58.74,31.69) v1(58.75,29.12) v1(58.75,26.41) v1(58.77,20.19) v1(58.74,15.69) v1(58.75,13.12) v1(58.75,10.41) v1(60.24,73.81) v1(60.24,66.99) v1(60.24,63.9) v1(60.25,61.48) v1(60.24,57.81) v1(60.24,50.99) v1(60.24,47.9) v1(60.25,45.48) v1(60.24,35.81) v1(60.24,28.99) v1(60.24,25.9) v1(60.25,23.48) v1(60.24,19.81) v1(60.24,12.99) v1(60.24,9.9) v1(60.25,7.48) v1(60.5,75.25) v1(60.5,66.25) v1(60.5,60.8) v1(60.5,59.25) v1(60.5,50.25) v1(60.5,44.8) v1(60.5,37.25) v1(60.5,28.25) v1(60.5,22.8) v1(60.5,21.25) v1(60.5,12.25) v1(60.5,6.8) v1(60.88,71.53) v1(60.88,55.53) v1(60.88,33.53) v1(60.88,17.53) v1(61,73.5) v1(61,57.5) v1(61,35.5) v1(61,19.5) v1(61.04,67.9) v1(61.04,51.9) v1(61.04,29.9) v1(61.04,13.9) v1(62.5,75.25) v1(62.5,59.25) v1(62.5,37.25) v1(62.5,21.25) v1(62.85,60.75) v1(62.85,44.75) v1(62.85,22.75) v1(62.85,6.75) v1(66.5,75.25) v1(66.5,73.9) v1(66.5,62.15) v1(66.5,60.8) v1(66.5,59.25) v1(66.5,57.9) v1(66.5,46.15) v1(66.5,44.8) v1(66.5,37.25) v1(66.5,35.9) v1(66.5,24.15) v1(66.5,22.8) v1(66.5,21.25) v1(66.5,19.9) v1(66.5,8.15) v1(66.5,6.8) v1(70.5,60.75) v1(70.5,44.75) v1(70.5,22.75) v1(70.5,6.75) v1(71.82,64.91) v1(71.82,48.91) v1(71.82,26.91) v1(71.82,10.91) v1(72.2,62.65) v1(72.2,46.65) v1(72.2,24.65) v1(72.2,8.65) v1(72.5,61.67) v1(72.5,60.75) v1(72.5,45.67) v1(72.5,44.75) v1(72.5,23.67) v1(72.5,22.75) v1(72.5,7.67) v1(72.5,6.75) v1(72.77,74.19) v1(72.74,69.69) v1(72.75,67.12) v1(72.75,64.41) v1(72.77,58.19) v1(72.74,53.69) v1(72.75,51.12) v1(72.75,48.41) v1(72.77,36.19) v1(72.74,31.69) v1(72.75,29.12) v1(72.75,26.41) v1(72.77,20.19) v1(72.74,15.69) v1(72.75,13.12) v1(72.75,10.41)
